# Altium PCB PCB2.PcbDoc (part 1 of 2)
Units mm, origin at the board's own origin, x right, y up, seen from the top; angles counter-clockwise.
Board outline 87 x 91.25 mm, 2 copper layers (Top Layer, Bottom Layer); 176 components, 129 nets, 578 pads, 189 vias.
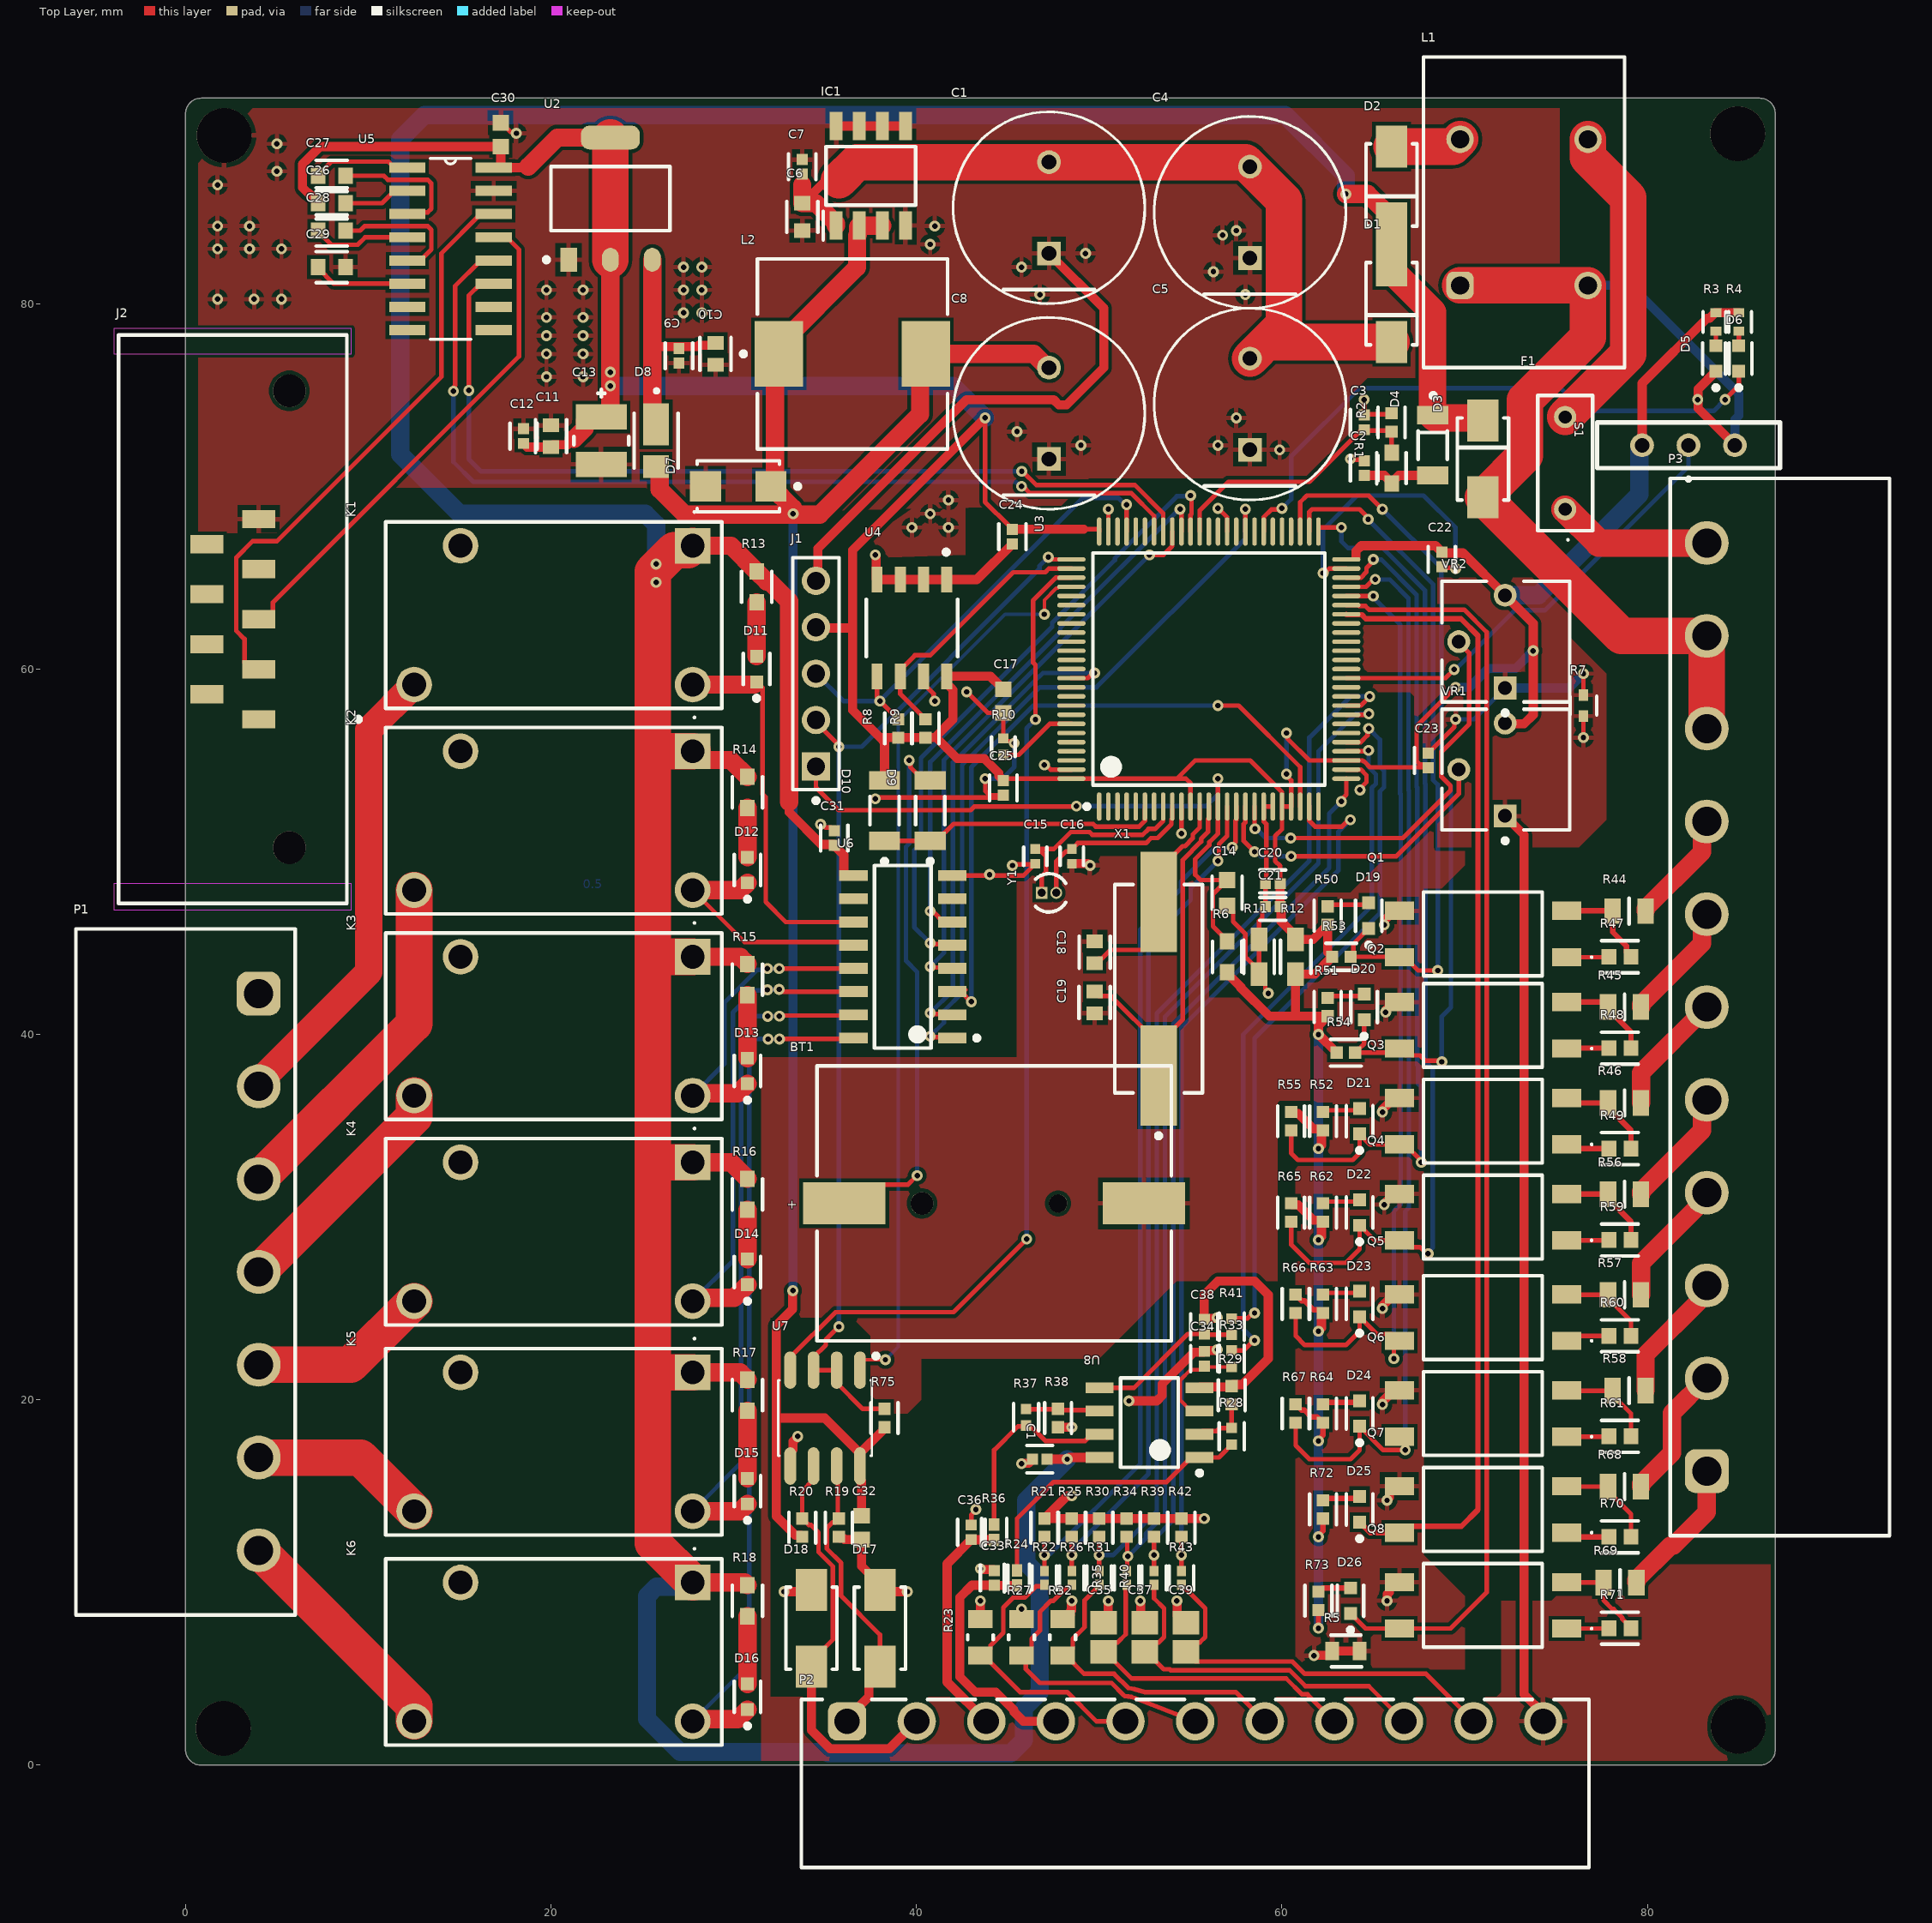
[diagram p0: Top Layer view]
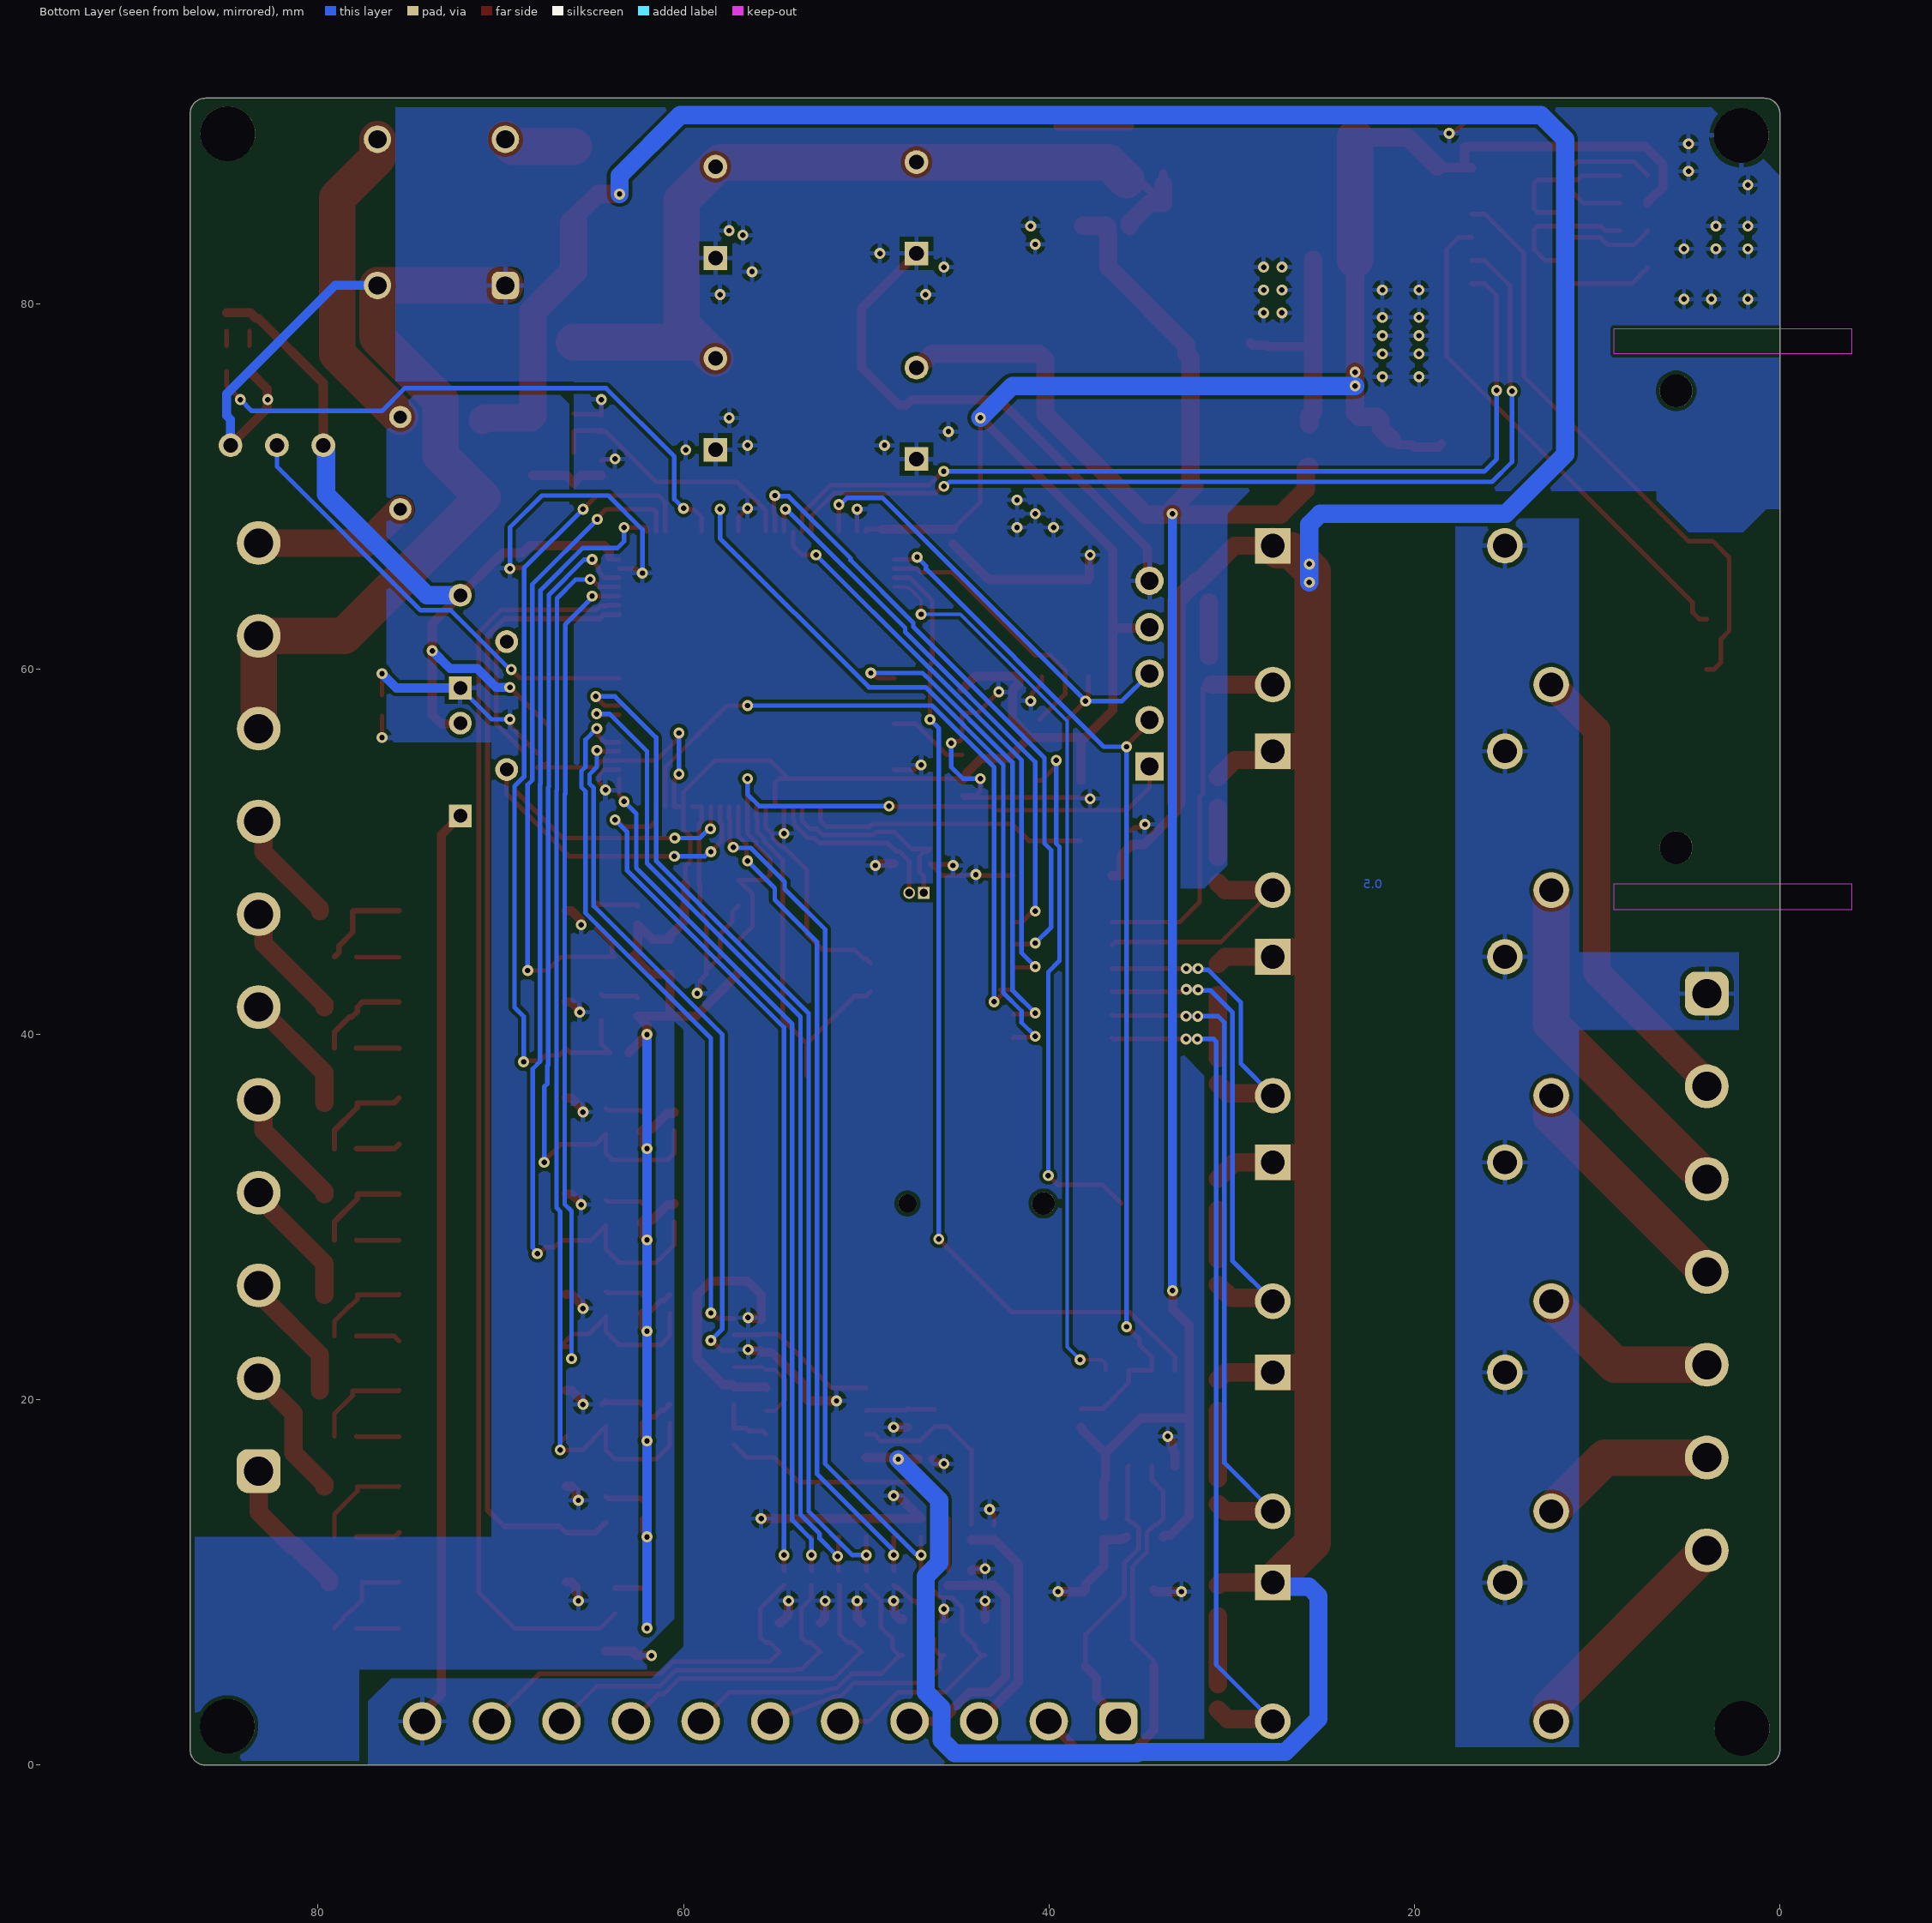
[diagram p1: Bottom Layer view, seen from below]
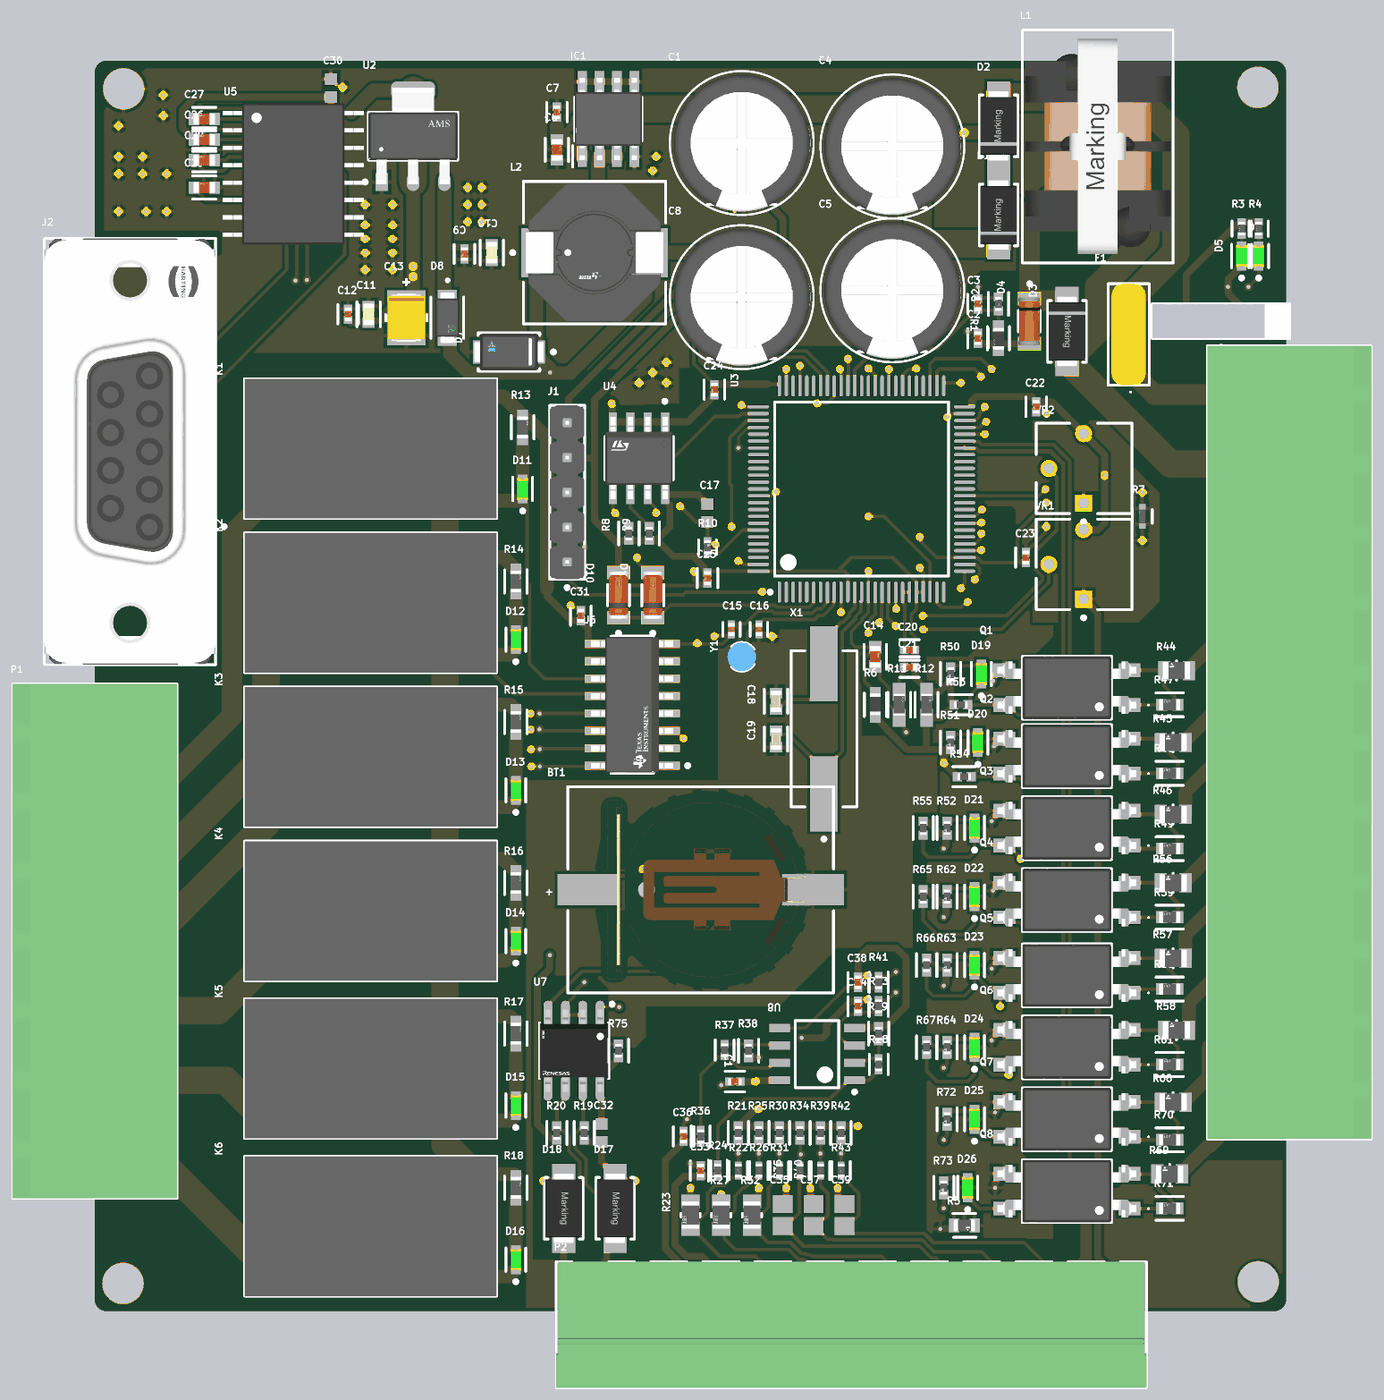
[diagram p3: 3D render of the assembled board from above, using the file's embedded part models]

## Layer stack, top to bottom
Top Solder: solder mask 0.0102, Solder Resist, Dk 3.5
Top Layer: signal copper 0.0356
Dielectric 1: dielectric 0.32, FR-4, Dk 4.8
Bottom Layer: signal copper 0.0356
Bottom Solder: solder mask 0.0102, Solder Resist, Dk 3.5

## Board outline
0,0.854 0,90.396 cw(c0.854,90.396) 0.25,91 cw(c0.854,90.396) 0.854,91.25 86.146,91.25 cw(c86.146,90.396) 86.75,91 cw(c86.146,90.396) 87,90.396 87,0.854 cw(c86.146,0.854) 86.75,0.25 cw(c86.146,0.854) 86.146,0 3.25,0 0.854,0 cw(c0.854,0.854) 0.25,0.25 cw(c0.854,0.854)

## Design rules (kind name [scope] priority, off if disabled: settings)
Clearance [All] p1: gap=0.2 ignorepadtopadclearanceinfootprint=TRUE
HoleSize [All] p1: absolutevalues=TRUE maxlimit=6 minlimit=0.025 maxpercent=80.000 minpercent=20.000
MinimumSolderMaskSliver [All] p1: minsoldermaskwidth=0.127
PolygonConnect [All] p1: connectstyle=Relief reliefconductorwidth=0.254 reliefentries=4 polygonreliefangle="90 Angle" airgapwidth=0.254
RoutingVias [All] p1: holewidth=0.3 width=0.6 viastyle="Through Hole" minholewidth=0.3 minwidth=0.6 maxholewidth=0.6 maxwidth=1
SilkToSolderMaskClearance [IsPad] p1: minsilkscreentomaskgap=0.1 clearancetoexposedcopper=TRUE
SolderMaskExpansion [All] p1: expansion=0.04 istentingtop=FALSE soldermaskfromhole=TRUE
SupplyNets "Schematic Supply Nets_7" [InNet('+5V')] p1: voltage=0.000
SupplyNets "Schematic Supply Nets_6" [InNet('+5V_LDO')] p2: voltage=0.000
SupplyNets "Schematic Supply Nets_5" [InNet('GND')] p3: voltage=0.000
SupplyNets "Schematic Supply Nets_4" [InNet('+24VDD')] p4: voltage=0.000
SupplyNets "Schematic Supply Nets_1" [InNet('+3V3')] p5: voltage=0.000
SupplyNets "Schematic Supply Nets" [InNet('+24V')] p6: voltage=0.000
UnRoutedNet [All] p1: checkbadconnections=TRUE
Width [All] p1: maxlimit=2 minlimit=0.2 preferedwidth=0.25
26 further rules are at their usual default settings.

## Classes and differential pairs
component class RS232: C26 C27 C28 C29 C30 J2 U5
component class X07-X00: D19 D20 D21 D22 D23 D24 D25 D26 P3 Q1 Q2 Q3 Q4 Q5 Q6 Q7 Q8 R44 R45 R46 R47 R48 R49 R50 R51 R52 R53 R54 R55 R56 R57 R58 R59 R60 R61 R62 R63 R64 R65 R66 R67 R68 R69 R70 R71 R72 R73
component class ULN2003: C31 D11 D12 D13 D14 D15 D16 K1 K2 K3 K4 K5 K6 P1 R13 R14 R15 R16 R17 R18 U6
component class Power_Supply: 323 C1 C2 C3 C4 C5 C6 C7 C8 C9 C10 C11 C12 C13 D1 D2 D3 D4 D5 D6 D7 D8 F1 IC1 L1 L2 R1 R2 R3 R4 U2
component class MCU: BT1 C14 C15 C16 C17 C18 C19 C20 C21 C22 C23 C24 C25 D9 D10 J1 R5 R6 R7 R8 R9 R10 R11 R12 S1 U3 U4 VR1 VR2 X1 Y1
component class DA0-1_AD0-AD5: C32 C33 C34 C35 C36 C37 C38 C39 D17 D18 P2 R19 R20 R21 R22 R23 R24 R25 R26 R27 R28 R29 R30 R31 R32 R33 R34 R35 R36 R37 R38 R39 R40 R41 R42 R43 R75 U7 U8 С1

## Components (designator, comment, footprint, x,y, rotation, side; value= is the part's Value field where it differs from the comment)
BT1 "S8411-45R" FP-S8411-45R-MFG 44.25,30.75 r270 top
C1 "EEUFK1V102L" FP-RAD-TH-D_10_0_5-L_30_2-MFG 47.25,85.25 r90 top
C2 "0402 100nF 50V" FP-0402B104K500CT-IPC_C 64.5,71 r90 top
C3 "0402 100nF 50V" FP-0402B104K500CT-IPC_C 64.5,73.5 r90 top
C4 "EEUFK1V102L" FP-RAD-TH-D_10_0_5-L_30_2-MFG 58.25,85 r90 top
C5 "EEUFK1V102L" FP-RAD-TH-D_10_0_5-L_30_2-MFG 58.25,74.5 r90 top
C6 "0603 1uF 50 V" FP-CC0603-DB-MFG 33.75,84.75 r270 top
C7 "100n 0402 50V" FP-0402B104K500CT-IPC_C 33.75,87.5 r90 top
C8 "EEUFK1V102L" FP-RAD-TH-D_10_0_5-L_30_2-MFG 47.25,74 r90 top
C9 "100n 0402 50V" FP-0402B104K500CT-IPC_C 27,77.15 r270 top
C10 "10uF 0603 10V" FP-C0603C106M8PACTU-MFG 29,77.25 r270 top
C11 "10uF 0603 10V" FP-C0603C106M8PACTU-MFG 20,72.75 r90 top
C12 "100n 0402 50V" FP-0402B104K500CT-IPC_C 18.5,72.75 r90 top
C13 "tantal 407j" FP-TPSB-MFG 22.75,72.5 r90 top
C14 "0603 16V 10uF" FP-CC0603-DC-MFG 57,47.75 r270 top
C15 "0403 22pF 50V" FP-C0402-BB-MFG 46.5,49.75 r270 top value="22 pF"
C16 "0403 22pF 50V" FP-C0402-BB-MFG 48.5,49.75 r270 top value="22 pF"
C17 "100nF 0603" CAPC1608X90X35LL15T15 44.75,58.25 r90 top
C18 "0603 22pF" FP-C0603C-CF-MFG 49.75,44.5 r90 top value="22 pF"
C19 "0603 22pF" FP-C0603C-CF-MFG 49.75,41.75 r270 top value="22 pF"
C20 "0402 100nF 50V" FP-0402B104K500CT-IPC_C 59.5,48.25 r180 top
C21 "0402 100nF 50V" FP-0402B104K500CT-IPC_C 59.5,47 r180 top
C22 "0402 100nF 50V" FP-0402B104K500CT-IPC_C 68.75,66 r270 top
C23 "0402 100nF 50V" FP-0402B104K500CT-IPC_C 68,55 r90 top
C24 "0402 100nF 50V" FP-0402B104K500CT-IPC_C 45.25,67.25 r270 top
C25 "0402 100nF 50V" FP-0402B104K500CT-IPC_C 44.75,53.5 r270 top
C26 "0603 1uF 50 V" FP-CC0603-DB-MFG 8,85.5 r0 top
C27 "0603 1uF 50 V" FP-CC0603-DB-MFG 8,87 r0 top
C28 "0603 1uF 50 V" FP-CC0603-DB-MFG 8,84 r0 top
C29 "0603 1uF 50 V" FP-CC0603-DB-MFG 8,82 r0 top
C30 "100nF 0603" CAPC1608X90X35LL15T15 17.25,89.25 r270 top
C31 "0402 100nF 50V" FP-0402B104K500CT-IPC_C 35.5,50.75 r90 top
C32 "100nF 0603" CAPC1608X90X35LL15T15 37,13 r270 top
C33 "0402 100nF 50V" FP-0402B104K500CT-IPC_C 44.25,10.25 r90 top
C34 "0402 100nF 50V" FP-0402B104K500CT-IPC_C 55.75,22.25 r90 top
C35 "10uF 0805" CAPC2013X145X50NL20T25 50.25,7 r270 top
C36 "0402 100nF 50V" FP-0402B104K500CT-IPC_C 43,12.75 r270 top
C37 "10uF 0805" CAPC2013X145X50NL20T25 52.5,7 r270 top
C38 "0402 100nF 50V" FP-0402B104K500CT-IPC_C 55.75,24 r90 top
C39 "10uF 0805" CAPC2013X145X50NL20T25 54.75,7 r270 top
D1 "M7" WE-TVSP_DO-214AC_Unidirectional 66,80 r90 top
D2 "M7" WE-TVSP_DO-214AC_Unidirectional 66,86.5 r90 top
D3 "CK TVS-диод" WE-TVSP_DO-214AC_Unidirectional 71,71.5 r270 top
D4 "BZV55-C12,115" FP-SOD80C-MFG 68.25,72.25 r270 top
D5 "LSM0603453V" FP-LSM0603453V-MFG 83.75,77 r90 top
D6 "LSM0603453V" FP-LSM0603453V-MFG 85,77 r90 top
D7 "SS24SHE3_B/H" FP-95400-MFG 30.25,70 r180 top
D8 "SS14FP" FP-425AC-MFG 25.75,72.5 r270 top
D9 "PMLL4148L,115" FP-SOD80C-MFG 40.75,52.25 r90 top value=4pF
D10 "PMLL4148L,115" FP-SOD80C-MFG 38.25,52.25 r90 top value=4pF
D11 "LED 0603" FP-LSM0603453V-MFG 31.25,60 r90 top
D12 "LED 0603" FP-LSM0603453V-MFG 30.75,49 r90 top
D13 "LED 0603" FP-LSM0603453V-MFG 30.75,38 r90 top
D14 "LED 0603" FP-LSM0603453V-MFG 30.75,27 r90 top
D15 "LED 0603" FP-LSM0603453V-MFG 30.75,15 r90 top
D16 "LED 0603" FP-LSM0603453V-MFG 30.75,3.75 r90 top
D17 "824501221" WE-TVSP_DO-214AC_Bidirectional 38,7.5 r270 top
D18 "824501221" WE-TVSP_DO-214AC_Bidirectional 34.25,7.5 r270 top
D19 "LSM0603453V" FP-LSM0603453V-MFG 64.75,46.5 r90 top
D20 "LSM0603453V" FP-LSM0603453V-MFG 64.5,41.5 r90 top
D21 "LSM0603453V" FP-LSM0603453V-MFG 64.25,35.25 r90 top
D22 "LSM0603453V" FP-LSM0603453V-MFG 64.25,30.25 r90 top
D23 "LSM0603453V" FP-LSM0603453V-MFG 64.25,25.25 r90 top
D24 "LSM0603453V" FP-LSM0603453V-MFG 64.25,19.25 r90 top
D25 "LSM0603453V" FP-LSM0603453V-MFG 64.25,14 r90 top
D26 "LSM0603453V" FP-LSM0603453V-MFG 63.75,9 r90 top
F1 "RUEF110-2" RUEF1102 75.5,68.75 r90 top
IC1 "XL1509-5.0E1" SOIC127P600X175-8N 37.5,87 r90 top
J1 "90120-0125" FP-90120-0125-MFG 34.5,59.75 r90 top
J2 "09551156612741" FP-09551156612741-MFG 2.58,62.73 r270 top
K1 "HF32F_024-HS3" HF32F024HS3 27.75,66.75 r180 top
K2 "HF32F_024-HS3" HF32F024HS3 27.75,55.5 r180 top
K3 "HF32F_024-HS3" HF32F024HS3 27.75,44.25 r180 top
K4 "HF32F_024-HS3" HF32F024HS3 27.75,33 r180 top
K5 "HF32F_024-HS3" HF32F024HS3 27.75,21.5 r180 top
K6 "HF32F_024-HS3" HF32F024HS3 27.75,10 r180 top
L1 "12mH" WE-TFC_UU9.8V 73.25,85 r90 top
L2 "#B952AS-H-680M=P3" FP-DS104C2-MFG 36.5,77.25 r0 top
P1 "691313510007" 691313510007 0,27 r270 top
P2 "691322310011" 691322310011 55.25,-1 r0 top
P3 "691313510011" 691313510011 87.25,41.5 r90 top
Q1 "APC-817C1-SL" APC817C1SL 71,45.5 r180 top
Q2 "APC-817C1-SL" APC817C1SL 71,40.5 r180 top
Q3 "APC-817C1-SL" APC817C1SL 71,35.25 r180 top
Q4 "APC-817C1-SL" APC817C1SL 71,30 r180 top
Q5 "APC-817C1-SL" APC817C1SL 71,24.5 r180 top
Q6 "APC-817C1-SL" APC817C1SL 71,19.25 r180 top
Q7 "APC-817C1-SL" APC817C1SL 71,14 r180 top
Q8 "APC-817C1-SL" APC817C1SL 71,8.75 r180 top
R1 "10k" FP-RT0603-MFG 66,71 r270 top value=10KΩ
R2 "4k7" FP-MCR01-IPC_A 66,73.5 r270 top
R3 "510 0402" FP-RMCF0402-MFG 83.75,79 r270 top
R4 "510 0402" FP-RMCF0402-MFG 85,79 r270 top
R5 "0" FP-RCS0603-e3-MFG 63.5,6.25 r0 top
R6 "10K" FP-RT0603-MFG 57,44.25 r90 top value=10KΩ
R7 "0 0402" FP-PMR01-MFG 76.5,58 r90 top
R8 "4.7k" FP-TFCR0402-IPC_A 39,56.75 r90 top
R9 "4.7k" FP-TFCR0402-IPC_A 40.5,56.75 r270 top
R10 "10k 0402" FP-MCS0402-MFG 44.75,55.75 r90 top
R11 "0 0605" FP-HCJ0603-MFG 58.75,44.25 r90 top
R12 "0 0605" FP-HCJ0603-MFG 60.75,44.25 r90 top
R13 "4.7k 0603" FP-AC0603-MFG 31.25,64.5 r90 top
R14 "4.7k 0603" FP-AC0603-MFG 30.75,53.25 r90 top
R15 "4.7k 0603" FP-AC0603-MFG 30.75,43 r90 top
R16 "4.7k 0603" FP-AC0603-MFG 30.75,31.25 r90 top
R17 "4.7k 0603" FP-AC0603-MFG 30.75,20.25 r90 top
R18 "4.7k 0603" FP-AC0603-MFG 30.75,9 r90 top
R19 "4.7k" FP-TFCR0402-IPC_A 35.75,13 r270 top
R20 "4.7k" FP-TFCR0402-IPC_A 33.75,13 r270 top
R21 "4.7k" FP-TFCR0402-IPC_A 47,13 r90 top
R22 "10k 0402" FP-CRGCQ0402-IPC_C 47,10.25 r90 top value=10KΩ
R23 "500 0805" FP-RNCF0805-MFG 43.5,7 r270 top
R24 "120 0402" FP-RMCF0402-IPC_B 45.5,10.25 r90 top
R25 "4.7k" FP-TFCR0402-IPC_A 48.5,13 r90 top
R26 "10k 0402" FP-CRGCQ0402-IPC_C 48.5,10.25 r90 top value=10KΩ
R27 "500 0805" FP-RNCF0805-MFG 45.75,7 r270 top
R28 "10k 0402" FP-TFCR0402-IPC_B 57.25,18 r90 top
R29 "4.7k" FP-TFCR0402-IPC_A 57.25,20.25 r270 top
R30 "4.7k" FP-TFCR0402-IPC_A 50,13 r90 top
R31 "10k 0402" FP-CRGCQ0402-IPC_C 50,10.25 r90 top value=10KΩ
R32 "500 0805" FP-RNCF0805-MFG 48,7 r270 top
R33 "10k 0402" FP-TFCR0402-IPC_B 57.25,22.25 r270 top
R34 "4.7k" FP-TFCR0402-IPC_A 51.5,13 r270 top
R35 "10k 0402" FP-CRGCQ0402-IPC_C 51.5,10.25 r90 top value=10KΩ
R36 "120 0402" FP-RMCF0402-IPC_B 44.25,12.75 r90 top
R37 "10k 0402" FP-TFCR0402-IPC_B 46,19.046 r270 top
R38 "4.7k" FP-TFCR0402-IPC_A 47.75,19 r90 top
R39 "4.7k" FP-TFCR0402-IPC_A 53,13 r90 top
R40 "10k 0402" FP-CRGCQ0402-IPC_C 53,10.25 r90 top value=10KΩ
R41 "10k 0402" FP-TFCR0402-IPC_B 57.25,24 r90 top
R42 "4.7k" FP-TFCR0402-IPC_A 54.5,13 r90 top
R43 "10k 0402" FP-CRGCQ0402-IPC_C 54.5,10.25 r90 top value=10KΩ
R44 "4.7k 0805" FP-MCU0805-MFG 79,46.75 r180 top
R45 "4.7k 0805" FP-MCU0805-MFG 78.75,41.5 r180 top
R46 "4.7k 0805" FP-MCU0805-MFG 78.75,36.25 r180 top
R47 "510 0603" FP-RMCF0603-IPC_C 78.5,44.25 r180 top
R48 "510 0603" FP-RMCF0603-IPC_C 78.5,39.25 r180 top
R49 "510 0603" FP-RMCF0603-IPC_C 78.5,33.75 r180 top
R50 "1k" FP-MCS0402-IPC_A 62.5,46.5 r270 top
R51 "1k" FP-MCS0402-IPC_A 62.5,41.5 r270 top
R52 "1k" FP-MCS0402-IPC_A 62.25,35.25 r270 top
R53 "4.7k" FP-TFCR0402-IPC_A 63.25,44.25 r0 top
R54 "4.7k" FP-TFCR0402-IPC_A 63.5,39 r0 top
R55 "4.7k" FP-TFCR0402-IPC_A 60.5,35.25 r270 top
R56 "4.7k 0805" FP-MCU0805-MFG 78.75,31.25 r180 top
R57 "4.7k 0805" FP-MCU0805-MFG 78.75,25.75 r180 top
R58 "4.7k 0805" FP-MCU0805-MFG 79,20.5 r180 top
R59 "510 0603" FP-RMCF0603-IPC_C 78.5,28.75 r180 top
R60 "510 0603" FP-RMCF0603-IPC_C 78.5,23.5 r180 top
R61 "510 0603" FP-RMCF0603-IPC_C 78.5,18 r180 top
R62 "1k" FP-MCS0402-IPC_A 62.25,30.25 r270 top
R63 "1k" FP-MCS0402-IPC_A 62.25,25.25 r270 top